# Altium PCB praxis_top_level_pcbdoc_v2.PcbDoc (part 1 of 4)
Units mm, origin at the board's own origin, x right, y up, seen from the top; angles counter-clockwise.
Board outline 152.4 x 79.5 mm, 4 copper layers (Top Layer, Int1 (GND), Int2 (PWR), Bottom Layer), stack 1.273 mm thick; 303 components, 266 nets, 1011 pads, 507 vias.
Unrouted connection lines stored in the file: 1.
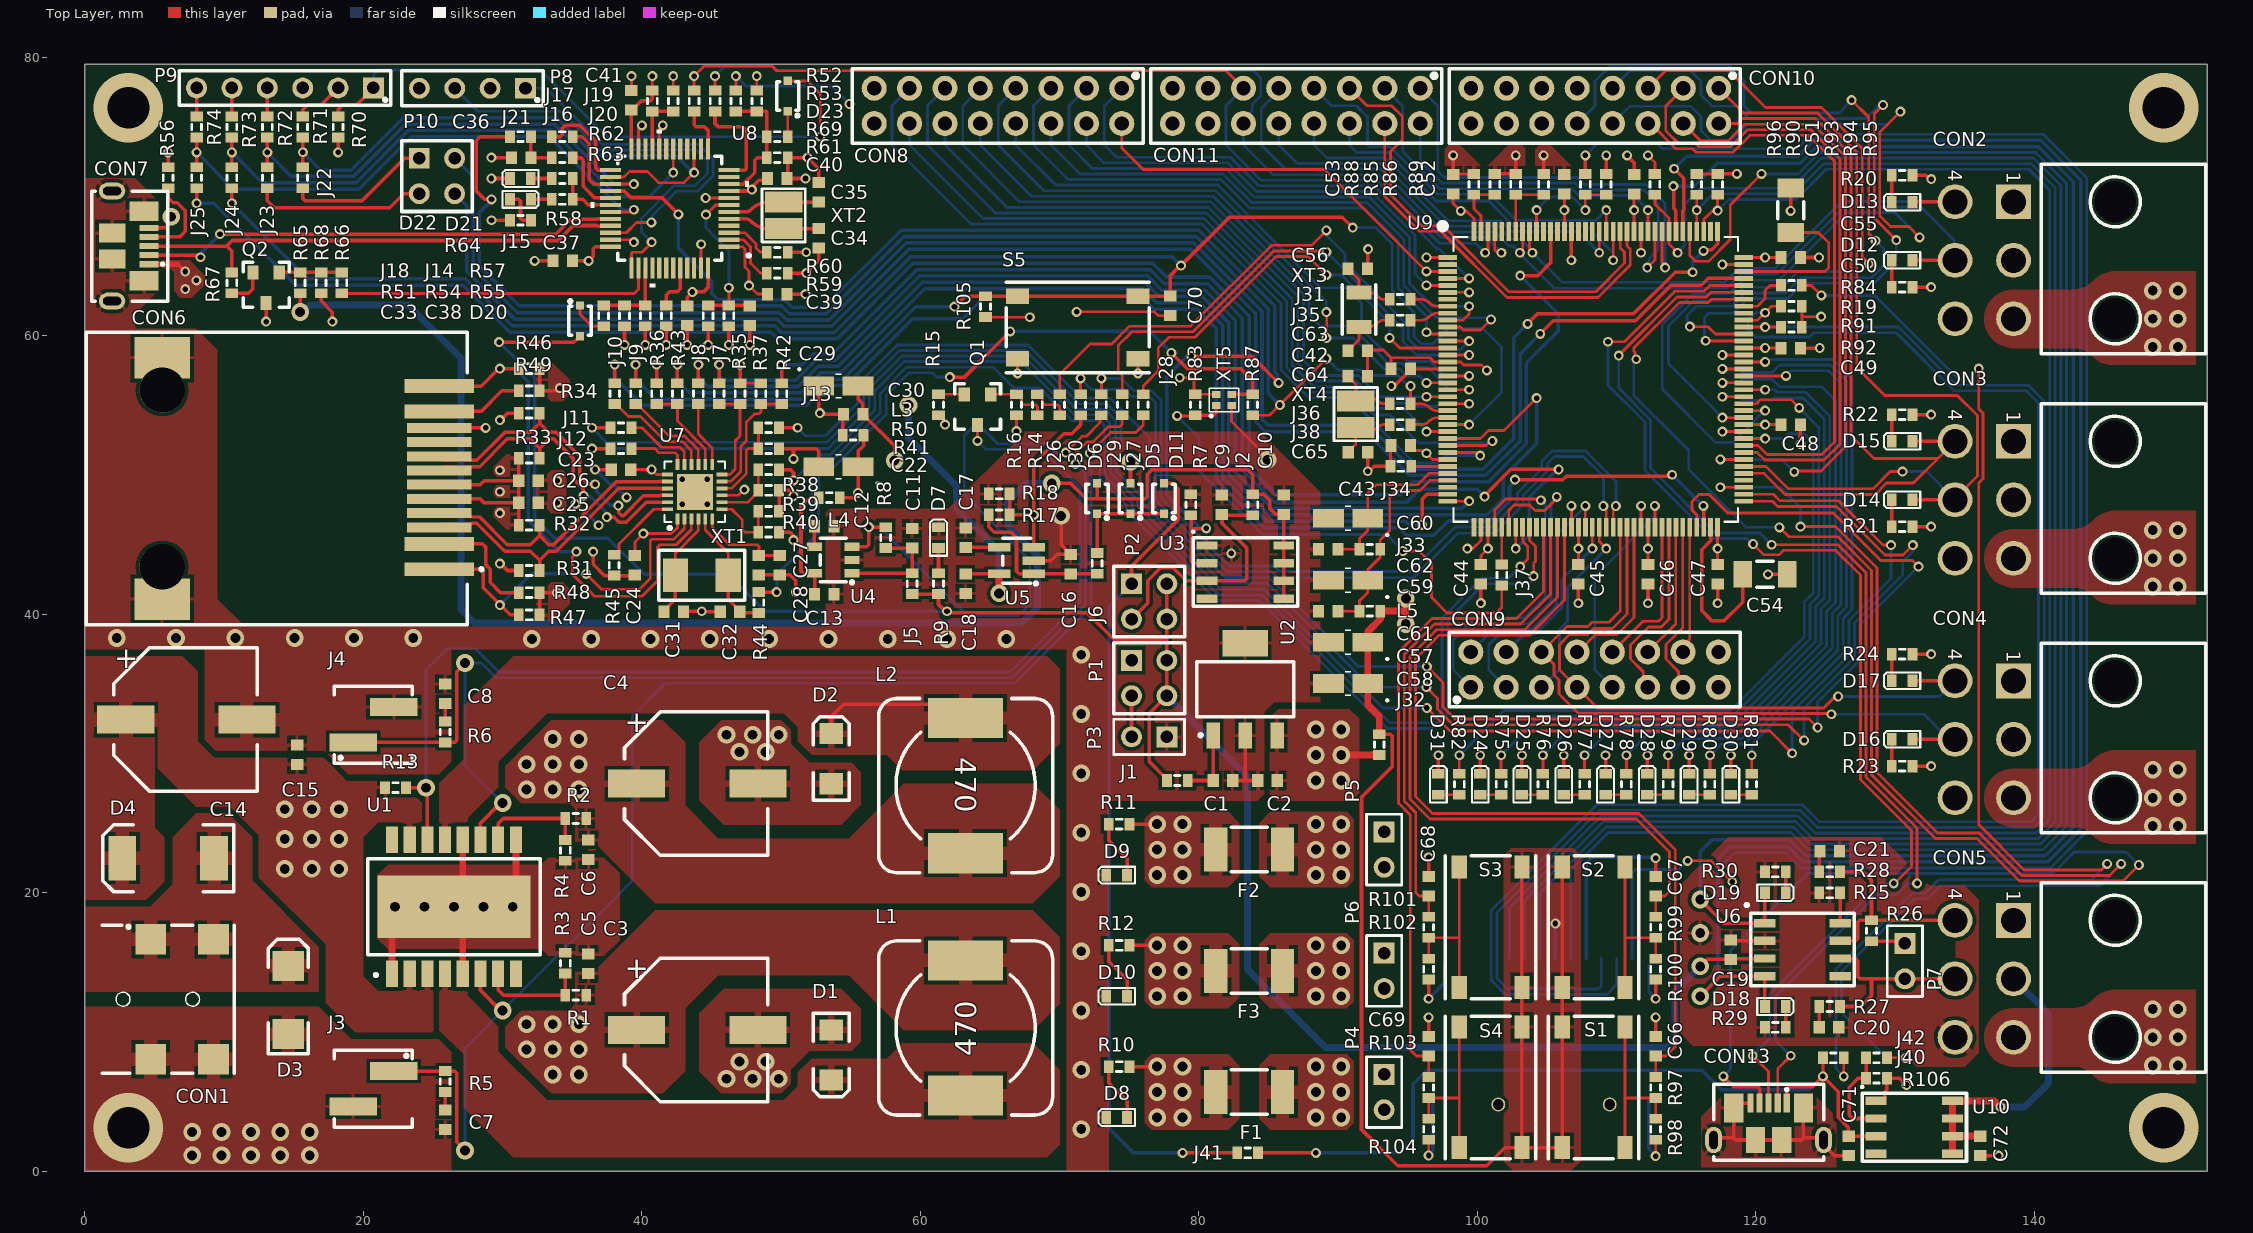
[diagram p0: Top Layer view]
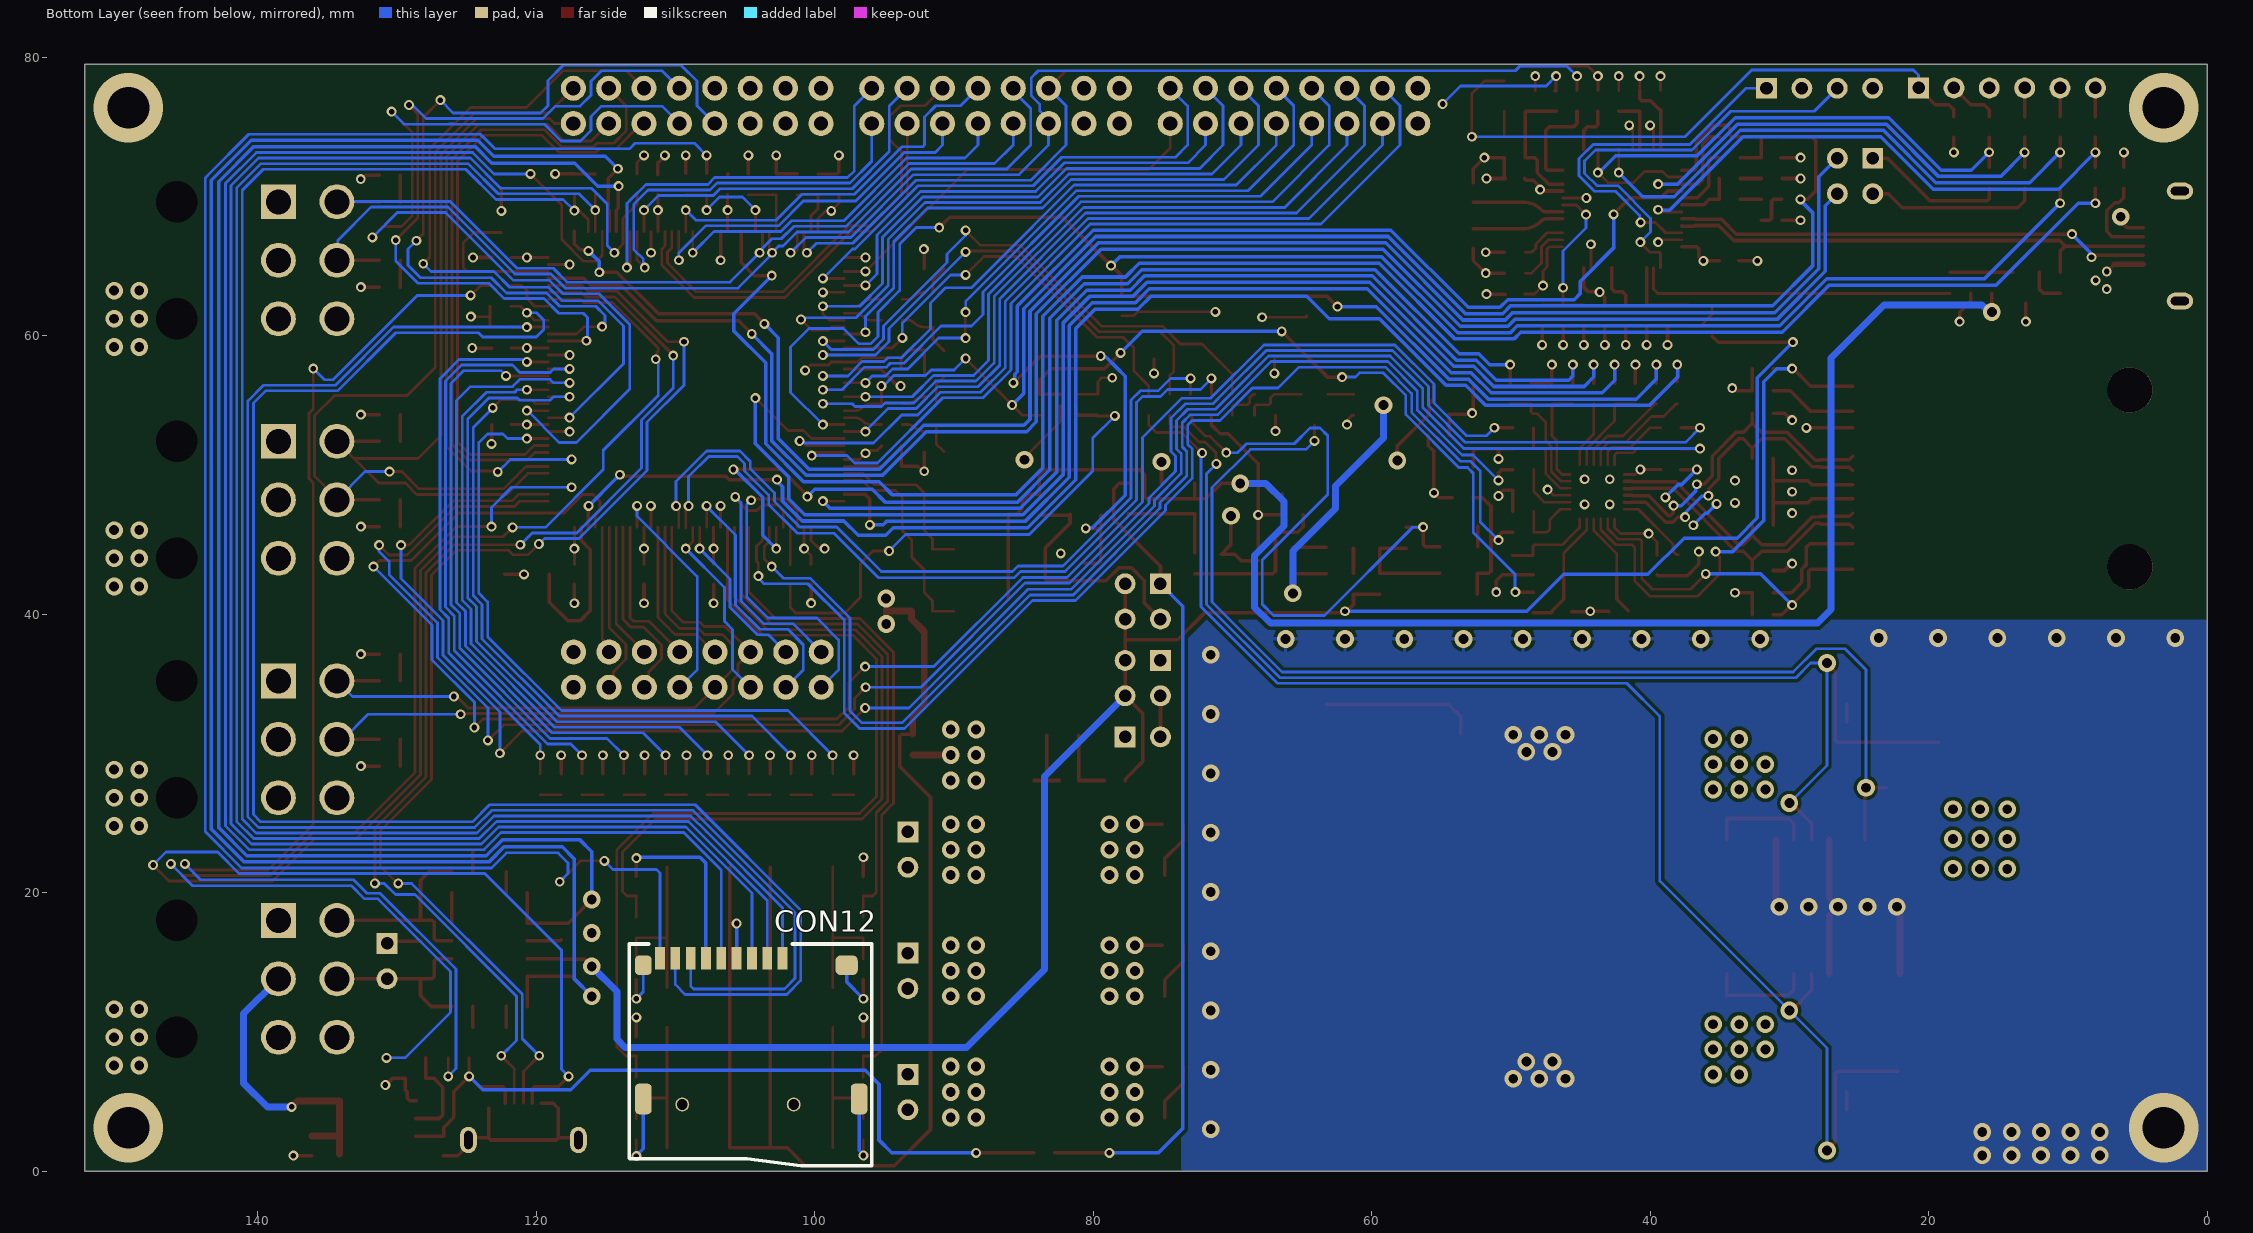
[diagram p1: Bottom Layer view, seen from below]
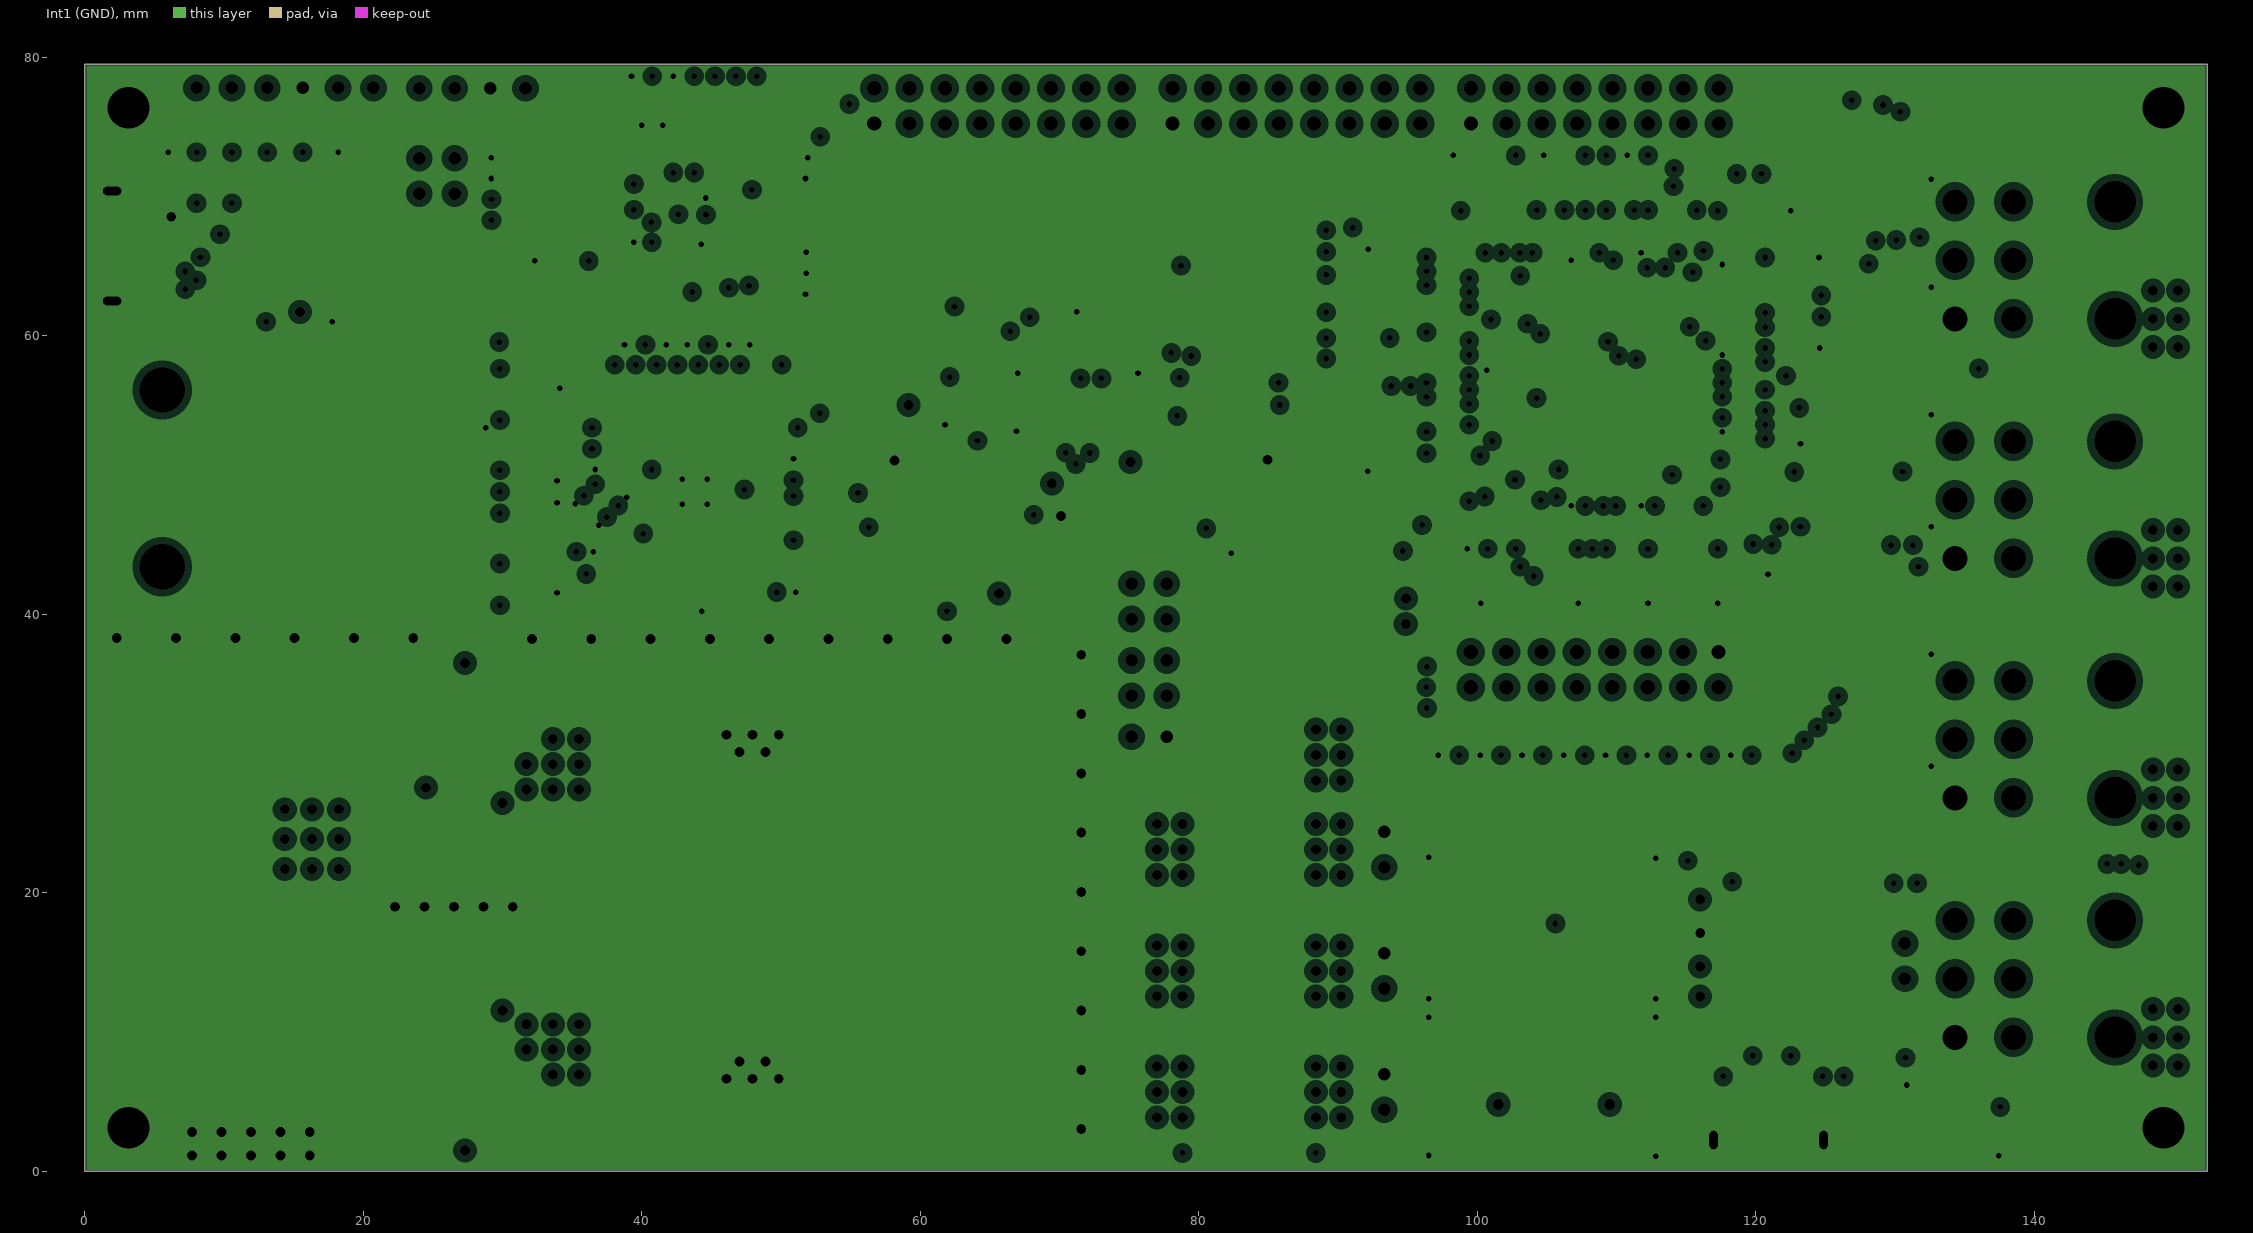
[diagram p2: Int1 (GND), clearances drawn from the general rule]
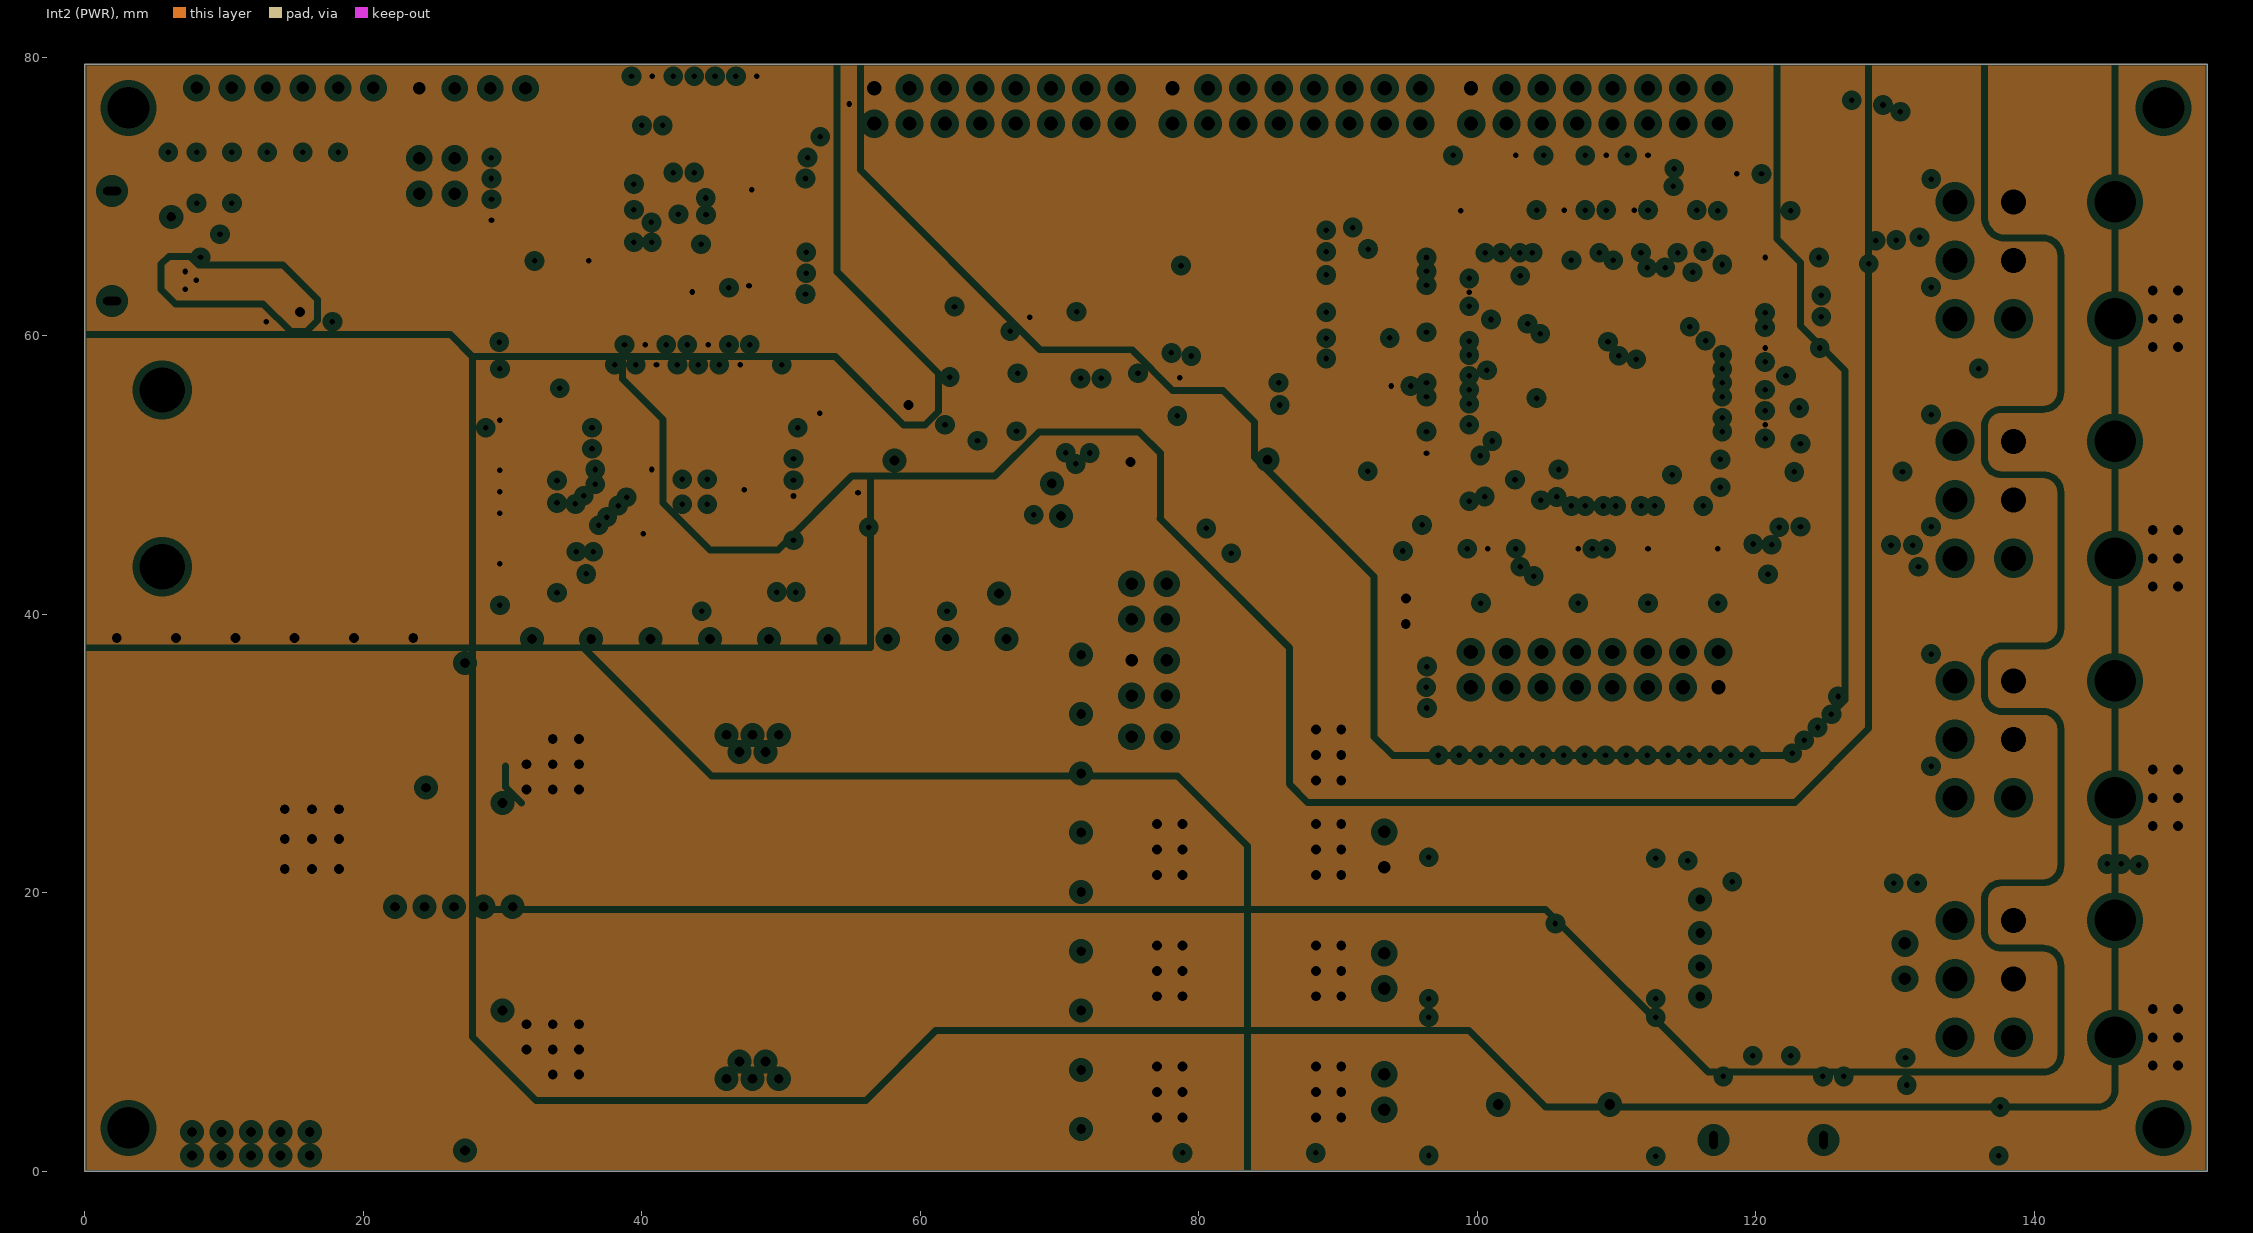
[diagram p3: Int2 (PWR), clearances drawn from the general rule]

## Layer stack, top to bottom
Top Solder: solder mask 0.0254, SM-001, Dk 4
Top Layer: signal copper 0.035
Dielectric 1: prepreg 0.0864, PP-010, Dk 4
Dielectric 2: prepreg 0.0864, PP-010, Dk 4
Int1 (GND): plane copper 0.035, net GND
Dielectric 3: core 0.7874, Core-040, Dk 4.6
Int2 (PWR): plane copper 0.035, net (Multiple Nets)
Dielectric 4: prepreg 0.0864, PP-010, Dk 4
Dielectric 5: prepreg 0.0864, PP-010, Dk 4
Bottom Layer: signal copper 0.035
Bottom Solder: solder mask 0.0254, SM-001, Dk 4

## Board outline
0,0 152.4,0 152.4,79.5 0,79.5

## Design rules (kind name [scope] priority, off if disabled: settings)
Clearance [All] p1: gap=0.254 ignorepadtopadclearanceinfootprint=FALSE except(0: Arc-Hole Track-Hole SMDPad-Hole THPad-Hole Via-Hole Fill-Hole Poly-Hole Region-Hole Text-Hole; 0.2: Arc-Arc Arc-Track Track-Track SMDPad-SMDPad)
DiffPairsRouting DiffPairsRouting_STLINK_USB [InDifferentialPair('DP_STLINK_USB')] p1: maxlimit=0.254 minlimit=0.2 mostfreqgap=0.2 toplayer_minwidth=0.25 toplayer_maxwidth=0.381 toplayer_prefwidth=0.307 bottomlayer_minwidth=0.25 bottomlayer_maxwidth=0.381 bottomlayer_prefwidth=0.307 impedanceprofiledriven=TRUE impedanceprofileid={171DCBC4-E7A9-4E61-9777-8B6F89F70602} impedanceprofilevalue=90.000000 maxuncoupledlength=12.7
DiffPairsRouting DiffPairsRouting_USB_OTG_FS [InDifferentialPairClass('All Differential Pairs')] p2: maxlimit=0.254 minlimit=0.2 mostfreqgap=0.2 toplayer_minwidth=0.25 toplayer_maxwidth=0.381 toplayer_prefwidth=0.307 bottomlayer_minwidth=0.25 bottomlayer_maxwidth=0.381 bottomlayer_prefwidth=0.307 impedanceprofiledriven=TRUE impedanceprofileid={171DCBC4-E7A9-4E61-9777-8B6F89F70602} impedanceprofilevalue=90.000000 maxuncoupledlength=12.7
DiffPairsRouting DiffPairsRouting_ETH_TX [InDifferentialPairClass('DIFFPAIR_EHT_NET_TX')] p3: maxlimit=0.254 minlimit=0.21 mostfreqgap=0.21 toplayer_minwidth=0.25 toplayer_maxwidth=0.381 toplayer_prefwidth=0.25 bottomlayer_minwidth=0.25 bottomlayer_maxwidth=0.381 bottomlayer_prefwidth=0.25 impedanceprofiledriven=TRUE impedanceprofileid={305CB325-F830-419B-A8F2-9C7B33C04CC0} impedanceprofilevalue=100.000000 maxuncoupledlength=12.7
DiffPairsRouting DiffPairsRouting_ETH_RX [InDifferentialPairClass('DIFFPAIR_EHT_NET_RX')] p4: maxlimit=0.254 minlimit=0.21 mostfreqgap=0.21 toplayer_minwidth=0.25 toplayer_maxwidth=0.381 toplayer_prefwidth=0.25 bottomlayer_minwidth=0.25 bottomlayer_maxwidth=0.381 bottomlayer_prefwidth=0.25 impedanceprofiledriven=TRUE impedanceprofileid={305CB325-F830-419B-A8F2-9C7B33C04CC0} impedanceprofilevalue=100.000000 maxuncoupledlength=12.7
MatchedLengths "Schematic Matched Net Lengths_7" [InNet('Port_A11')] p1: tolerance=2.54 checknetsindiffpair=TRUE checkdiffpairvsdiffpair=FALSE checkxsignals=FALSE checkothers=FALSE
MatchedLengths "Schematic Matched Net Lengths_6" [InNet('Port_A12')] p2: tolerance=2.54 checknetsindiffpair=TRUE checkdiffpairvsdiffpair=FALSE checkxsignals=FALSE checkothers=FALSE
MatchedLengths "Schematic Matched Net Lengths_5" [InNet('DP_STLINK_USB_P')] p3: tolerance=2.54 checknetsindiffpair=TRUE checkdiffpairvsdiffpair=FALSE checkxsignals=FALSE checkothers=FALSE
MatchedLengths "Schematic Matched Net Lengths_4" [InNet('DP_STLINK_USB_N')] p4: tolerance=2.54 checknetsindiffpair=TRUE checkdiffpairvsdiffpair=FALSE checkxsignals=FALSE checkothers=FALSE
MatchedLengths "Schematic Matched Net Lengths_3" [InNet('DP_ETH_RX_N')] p5: tolerance=2.54 checknetsindiffpair=TRUE checkdiffpairvsdiffpair=FALSE checkxsignals=FALSE checkothers=FALSE
MatchedLengths "Schematic Matched Net Lengths_2" [InNet('DP_ETH_RX_P')] p6: tolerance=2.54 checknetsindiffpair=TRUE checkdiffpairvsdiffpair=FALSE checkxsignals=FALSE checkothers=FALSE
MatchedLengths "Schematic Matched Net Lengths_1" [InNet('DP_ETH_TX_N')] p7: tolerance=2.54 checknetsindiffpair=TRUE checkdiffpairvsdiffpair=FALSE checkxsignals=FALSE checkothers=FALSE
MatchedLengths "Schematic Matched Net Lengths" [InNet('DP_ETH_TX_P')] p8: tolerance=2.54 checknetsindiffpair=TRUE checkdiffpairvsdiffpair=FALSE checkxsignals=FALSE checkothers=FALSE
PlaneClearance [All] p1: clearance=0.508
PlaneConnect [All] p1: planeconnectstyle=Direct reliefexpansion=0.508 reliefentries=4 reliefconductorwidth=0.254 reliefairgap=0.254
PolygonConnect [All] p1: connectstyle=Relief reliefconductorwidth=0.254 reliefentries=4 polygonreliefangle="90 Angle" airgapwidth=0.254
RoutingVias [All] p1: holewidth=0.711 width=1.27 viastyle="Through Hole" minholewidth=0.4 minwidth=0.711 maxholewidth=0.711 maxwidth=1.27
SolderMaskExpansion [All] p1: expansion=0.102 istentingtop=FALSE
Width [All] p1: maxlimit=0.254 minlimit=0.15 preferedwidth=0.254 minimp=50.000000 maximp=50.000000 favimp=50.000000
27 further rules are at their usual default settings.

## Classes and differential pairs
net class Port_H[0..1]: Port_H0 Port_H1
net class Port_G[0..15]: Port_G0 Port_G1 Port_G2 Port_G3 Port_G4 Port_G5 Port_G6 Port_G7 Port_G8 Port_G9 Port_G10 Port_G11 Port_G12 Port_G13 Port_G14 Port_G15
net class Port_F[0..15]: Port_F0 Port_F1 Port_F2 Port_F3 Port_F4 Port_F5 Port_F6 Port_F7 Port_F8 Port_F9 Port_F10 Port_F11 Port_F12 Port_F13 Port_F14 Port_F15
net class Port_E[0..15]: Port_E0 Port_E1 Port_E2 Port_E3 Port_E4 Port_E5 Port_E6 Port_E7 Port_E8 Port_E9 Port_E10 Port_E11 Port_E12 Port_E13 Port_E14 Port_E15
net class Port_D[0..15]: Port_D0 Port_D1 Port_D2 Port_D3 Port_D4 Port_D5 Port_D6 Port_D7 Port_D8 Port_D9 Port_D10 Port_D11 Port_D12 Port_D13 Port_D14 Port_D15
net class Port_C[0..15]: Port_C0 Port_C1 Port_C2 Port_C3 Port_C4 Port_C5 Port_C6 Port_C7 Port_C8 Port_C9 Port_C10 Port_C11 Port_C12 Port_C13 Port_C14 Port_C15
net class Port_B[0..15]: Port_B0 Port_B1 Port_B2 Port_B3 Port_B4 Port_B5 Port_B6 Port_B7 Port_B8 Port_B9 Port_B10 Port_B11 Port_B12 Port_B13 Port_B14 Port_B15
net class Port_A[0..15]: Port_A0 Port_A1 Port_A2 Port_A3 Port_A4 Port_A5 Port_A6 Port_A7 Port_A8 Port_A9 Port_A10 Port_A11 Port_A12 Port_A13 Port_A14 Port_A15
component class U_modulo_control_usb_fs_schdoc: C71 C72 CON13 J40 J41 J42 R106 U10
component class U_modulo_control_switches_schdoc: C66 C67 C68 C69 C70 R97 R98 R99 R100 R101 R102 R103 R104 R105 S1 S2 S3 S4 S5
component class U_modulo_control_sd_schdoc: CON12 R90 R91 R92 R93 R94 R95 R96
component class U_modulo_control_micro_schdoc: C42 C43 C44 C45 C46 C47 C48 C49 C50 C51 C52 C53 C54 C55 C56 C57 C58 C59 C60 C61 C62 C63 C64 C65 J26 J27 J28 J29 J30 J31 J32 J33 J34 J35 J36 J37 J38 L5 R83 R84 R85 R86 R87 R88 R89 U9 XT3 XT4 XT5
component class U_modulo_control_led_schdoc: D24 D25 D26 D27 D28 D29 D30 D31 R75 R76 R77 R78 R79 R80 R81 R82
component class U_modulo_control_headers_schdoc: CON8 CON9 CON10 CON11
differential pair class NET_CLASS_DP_STLINK_USB: DP_STLINK_USB
component class U_modulo_programador_schdoc: C33 C34 C35 C36 C37 C38 C39 C40 C41 CON7 D20 D21 D22 D23 J14 J15 J16 J17 J18 J19 J20 J21 J22 J23 J24 J25 P8 P9 P10 Q2 R51 R52 R53 R54 R55 R56 R57 R58 R59 R60 R61 R62 R63 R64 R65 R66 R67 R68 R69 R70 R71 R72 R73 R74 U8 XT2
differential pair class DIFFPAIR_EHT_NET_TX: DP_ETH_TX
differential pair class DIFFPAIR_EHT_NET_RX: DP_ETH_RX
component class U_modulo_comunicacion_schdoc: C22 C23 C24 C25 C26 C27 C28 C29 C30 C31 C32 CON6 J7 J8 J9 J10 J11 J12 J13 L3 L4 R31 R32 R33 R34 R35 R36 R37 R38 R39 R40 R41 R42 R43 R44 R45 R46 R47 R48 R49 R50 U7 XT1
component class U_modulo_extension_schdoc: C19 C20 C21 CON2 CON3 CON4 CON5 D12 D13 D14 D15 D16 D17 D18 D19 P7 R19 R20 R21 R22 R23 R24 R25 R26 R27 R28 R29 R30 U6
component class U_modulo_alimentador_schdoc: C1 C2 C3 C4 C5 C6 C7 C8 C9 C10 C11 C12 C13 C14 C15 C16 C17 C18 CON1 D1 D2 D3 D4 D5 D6 D7 D8 D9 D10 D11 F1 F2 F3 J1 J2 J3 J4 J5 J6 L1 L2 P1 P2 P3 P4 P5 P6 Q1 R1 R2 R3 R4 R5 R6 R7 R8 R9 R10 R11 R12 R13 R14 R15 R16 R17 R18 U1 U2 U3 U4 U5
differential pair DP_STLINK_USB: +DP_STLINK_USB_P -DP_STLINK_USB_N
differential pair DP_ETH_TX: +DP_ETH_TX_P -DP_ETH_TX_N
differential pair DP_ETH_RX: +DP_ETH_RX_P -DP_ETH_RX_N
